# Altium PCB DAB_PCB.PcbDoc (part 2 of 3) (continued)
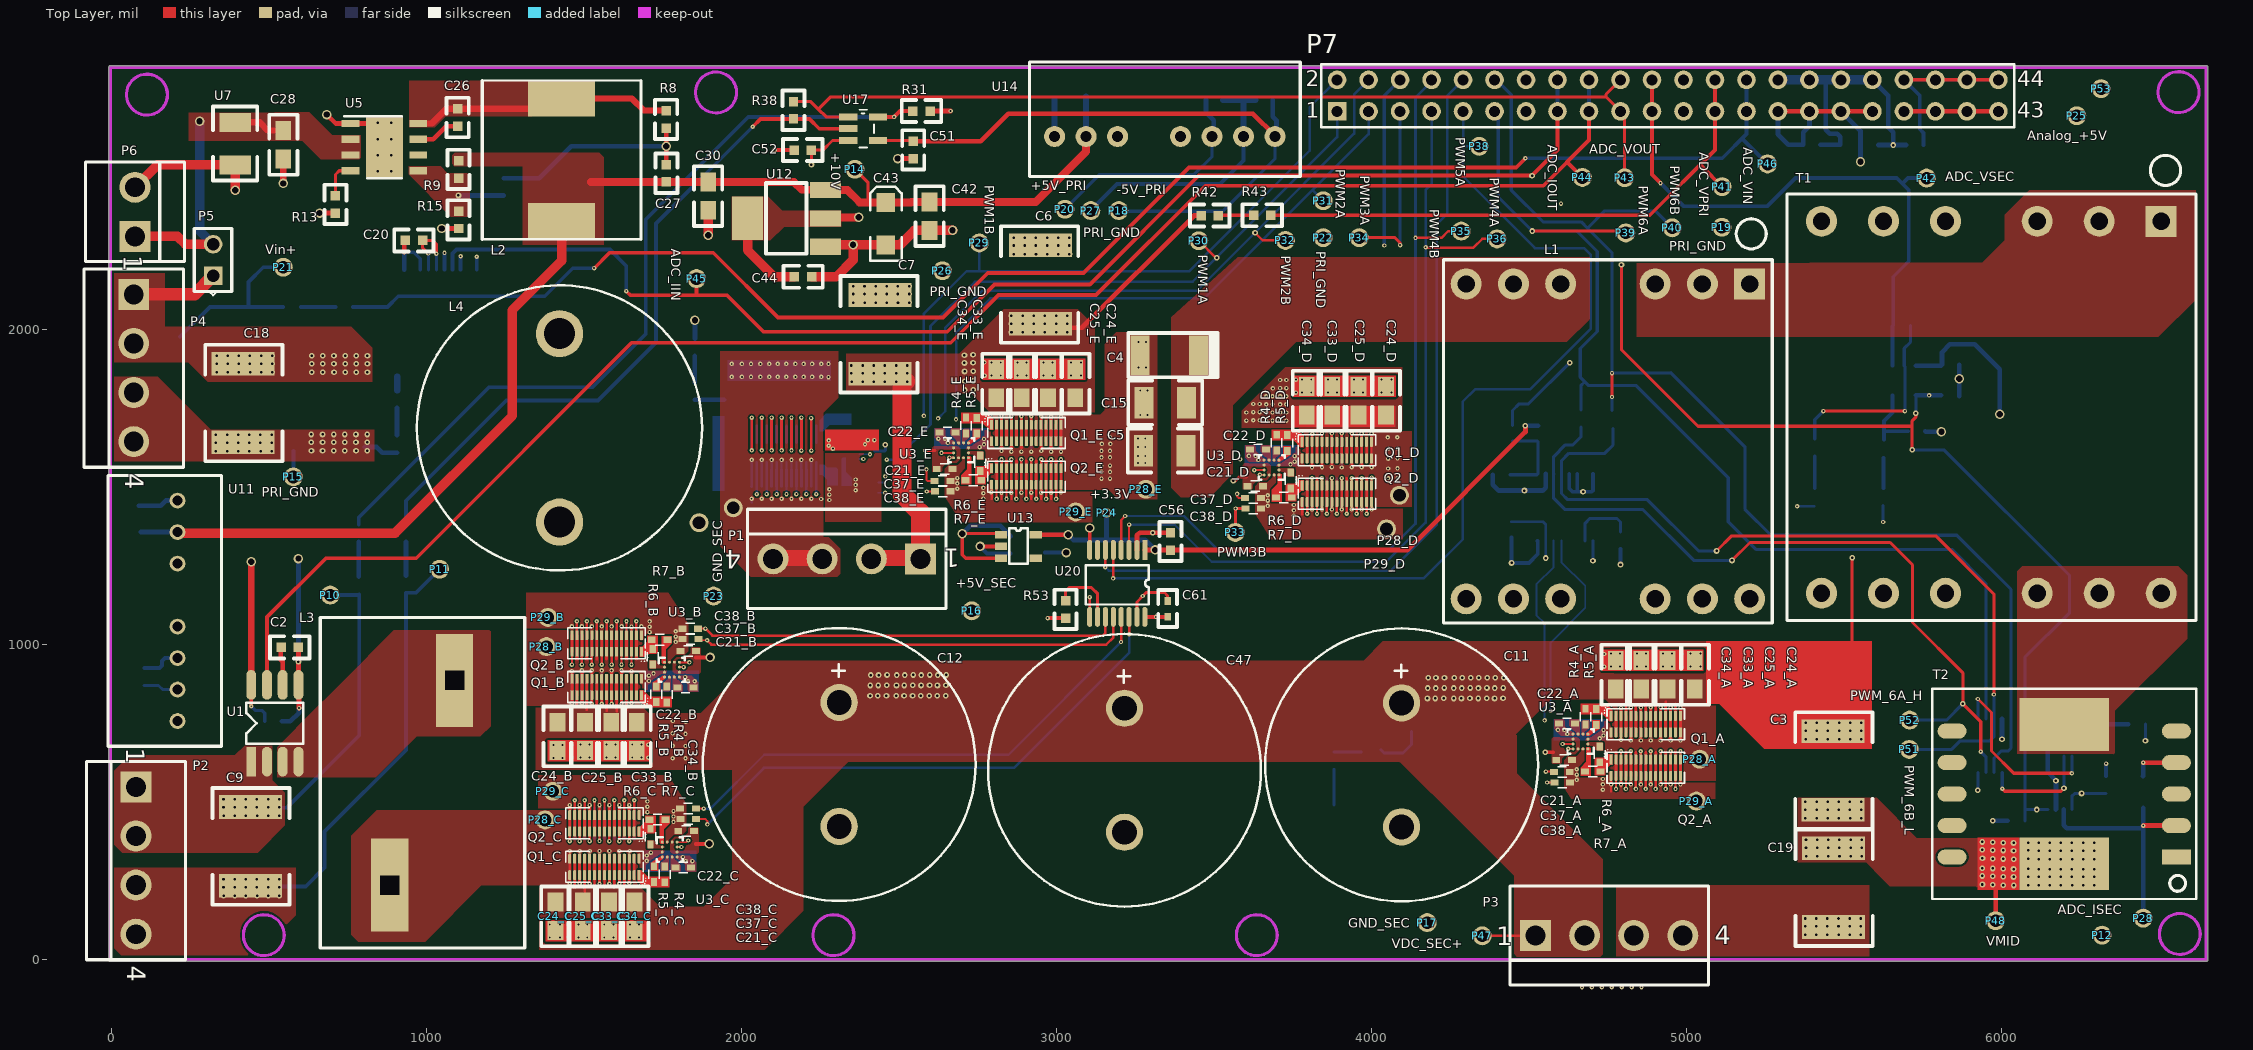
[diagram p0: Top Layer view]
## Nets (pads, with @x,y where several pads share a name; then routed paths per layer and width w, separated by ;. In a path a pad name is that pad's centre, name@x,y a point inside that pad or via, vN(x,y) a via of type N, cw(c..) or ccw(c..) an arc to the next point about the centre after c; other vN are vias at no path point) (continued)
  Top Layer w9: v1@2032.53,1621 v1(2032.53,1721.5) ; v1@2064.02,1621 v1(2064.02,1721.5) ; v1@2095.52,1621 v1(2095.52,1721.5) ; v1@2127.02,1622 v1(2127.02,1721.5) ; v1@2158.51,1621 v1(2158.51,1721.51) ; v1@2190,1620.3 v1(2190.01,1721.5) ; v1(2221,1720) 2221.5,1719.5 v1@2221.5,1620.3
  POWER1 w9: v1@2032.53,1621 v1(2032.53,1721.5) ; v1@2048,1482 2048,1579.22 ; v1@2064.02,1621 v1(2064.02,1721.5) ; v1@2079.77,1481.23 2079.77,1579.5 ; v1@2095.52,1621 v1(2095.52,1721.5) ; v1@2111.27,1481.73 2111.27,1579.5 ; v1@2127.02,1621 v1(2127.02,1721.5) ; v1@2142.76,1481.24 2142.76,1579.5 ; v1@2158.51,1621 v1(2158.51,1721.51) ; v1@2174.26,1481.74 2174.26,1579.5 ; v1@2190.01,1621 v1(2190.01,1721.5) ; v1@2205.76,1482 2205.76,1579.5 ; v1(2221,1720) 2221.5,1719.5 v1@2221.5,1620.3 ; v1@2237.25,1482 2237.25,1579.5
  Bottom Layer w7.5: v1@2032.53,1621 Q1_F.30@2032.53,1642 ; Q1_F.29@2032.53,1694.36 v1@2032.53,1719.47 ; v1(2048.28,1478.42) Q2_F.28@2048.28,1503.64 ; Q2_F.27@2048.28,1556 2048.28,1579.5 ; v1@2064.02,1621 Q1_F.26@2064.02,1642 ; Q1_F.25@2064.02,1694.36 v1(2064.02,1721.5) ; v1(2079.77,1478.42) Q2_F.24@2079.77,1503.64 ; Q2_F.23@2079.77,1556 2079.77,1579.5 ; v1@2095.52,1621 Q1_F.22@2095.52,1642 ; Q1_F.21@2095.52,1694.36 v1@2095.52,1718.52 ; v1(2111.27,1478.42) Q2_F.20@2111.27,1503.64 ; Q2_F.19@2111.27,1556 2111.27,1579.5 ; Q1_F.17@2127.02,1694.36 v1(2127.02,1721.5) ; v1(2142.76,1478.42) Q2_F.16@2142.76,1503.64 ; Q2_F.15@2142.76,1556 2142.76,1579.5 ; v1@2158.51,1621 Q1_F.14@2158.51,1642 ; Q1_F.13@2158.51,1694.36 v1(2158.51,1721.51) ; v1@2174.26,1481.26 Q2_F.12@2174.26,1503.64 ; Q2_F.11@2174.26,1556 2174.26,1579.5 ; v1(2190,1616.8) Q1_F.10@2190.01,1642 ; Q1_F.9@2190.01,1694.36 v1(2190.01,1721.5) ; v1(2205.76,1478.42) Q2_F.8@2205.76,1503.64 ; Q2_F.7@2205.76,1556 2205.76,1579.5 ; Q1_F.5@2221.5,1694.36 v1@2221.5,1719.5 ; v1(2237.25,1478.6) Q2_F.4@2237.25,1503.64 ; Q2_F.3@2237.25,1556 2237.25,1579.5
  Bottom Layer w9: Q1_F.30@2032.53,1642 Q1_F.29@2032.53,1694.36 ; Q2_F.28@2048.28,1503.64 Q2_F.27@2048.28,1556 ; Q1_F.26@2064.02,1642 Q1_F.25@2064.02,1694.36 ; Q2_F.24@2079.77,1503.64 Q2_F.23@2079.77,1556 ; Q1_F.22@2095.52,1642 Q1_F.21@2095.52,1694.36 ; Q2_F.20@2111.27,1503.64 Q2_F.19@2111.27,1556 ; Q1_F.18@2127.02,1642 Q1_F.17@2127.02,1694.36 ; Q2_F.16@2142.76,1503.64 Q2_F.15@2142.76,1556 ; Q1_F.14@2158.51,1642 Q1_F.13@2158.51,1694.36 ; Q2_F.12@2174.26,1503.64 Q2_F.11@2174.26,1556 ; Q1_F.10@2190.01,1642 Q1_F.9@2190.01,1694.36 ; Q2_F.8@2205.76,1503.64 Q2_F.7@2205.76,1556 ; Q1_F.6@2221.5,1642 Q1_F.5@2221.5,1694.36 ; Q2_F.4@2237.25,1503.64 Q2_F.3@2237.25,1556
  other v1: 2174.26,1478.42 2221.5,1616.8 2032.53,1617.5 2064.02,1617.5 2095.52,1617.5 2127,1617.5 2158.51,1617.5 2290,1623 2277,1632 2392,1637 2277,1649 2401,1650 2422,1650
NetC22_F_2: C22_F.2 U3_F.D3
NetC26_1: C26.1 U5.7 | length 142.3
  Top Layer w15: U5.7@973.42,2605.41 1021.41,2605.41 1063,2647 C26.1@1098.48,2647
NetC26_2: C26.2 L2.1 R8.1 U5.8 | length 794.7
  Top Layer w20: U5.8@973.42,2655.41 1016.41,2655.41 1063,2702 C26.2@1098.48,2702 L2.1@1395.6,2702 ; L2.1@1428.48,2734.88 1651.12,2734.88 1689,2697 R8.1@1766,2697
NetC27_1: C27.1 C29.1 R8.2 | length 676.4
  Top Layer w15: C27.1@1760.48,2523.52 v5(1760.48,2583) ; R8.2@1760.48,2641 v5(1760.48,2583) ; v5@1761,2583 v5(1760.48,2583)
  Bottom Layer w15: C29.1@1244.48,2482 1358,2482 1459,2583 v5(1760.48,2583) v5@1761,2583
NetC28_2: C28.2 P5.2 P6.1 U5.2 U5.3 U7.2 | length 830.9
  Top Layer w20: U7.2@392,2659 470,2659 496,2633 C28.2@545,2633
  Top Layer w30: P6.1@74,2297 209,2297 234,2272 P5.2@322,2272
  Bottom Layer w30: v5(279,2663) 279,2315 P5.2@322,2272
NetC29_2: C29.2 R9.1 R15.2 U5.5 | length 143.5
  Bottom Layer w15: v4(1101,2427) C29.2@1244.48,2427
NetC53_2: C53.2 R44.1 R45.1 U18.1 | length 266.4
  Bottom Layer w10: C53.2@4440,1540 U18.1@4525.2,1540 ; R44.1@4448,1647 R45.1@4527,1647 ; U18.1@4528.5,1543.3 R45.1@4528.5,1645.5
NetL1_1: L1.1 T1.1
NetL3_2: L3.2 U1.3 U1.4
NetL4_1: L4.1 U2.9
NetQ1_A_1: Q1_A.1 R4_A.2 R5_A.2 | length 14.6
  Top Layer w9: Q1_A.1@4761,774.36 Q1_A.1@4761,789
NetQ1_B_1: Q1_B.1 R4_B.2 R5_B.2 | length 14.6
  Top Layer w9: Q1_B.1@1681.92,825.25 Q1_B.1@1681.92,839.89
NetQ1_C_1: Q1_C.1 R4_C.2 R5_C.2 | length 14.6
  Top Layer w9: Q1_C.1@1674.92,254 Q1_C.1@1674.92,268.64
NetQ1_D_1: Q1_D.1 R4_D.2 R5_D.2 | length 14.6
  Top Layer w7.5: Q1_D.1@3780,1644.36 Q1_D.1@3780,1659
NetQ1_E_1: Q1_E.1 R4_E.2 R5_E.2 | length 14.6
  Top Layer w9: Q1_E.1@2794,1698.86 Q1_E.1@2794,1713.5
NetQ1_F_1: Q1_F.1 R4_F.2 R5_F.2 | length 14.6
  Bottom Layer w7.5: Q1_F.1@2253,1694.36 Q1_F.1@2253,1709
NetQ2_A_1: Q2_A.1 R6_A.2 R7_A.2
NetQ2_B_1: Q2_B.1 R6_B.2 R7_B.2
NetQ2_C_1: Q2_C.1 R6_C.2 R7_C.2
NetQ2_D_1: Q2_D.1 R6_D.2 R7_D.2
NetQ2_E_1: Q2_E.1 R6_E.2 R7_E.2
NetQ2_F_1: Q2_F.1 R6_F.2 R7_F.2
NetR1_1: R1.1 R55.2 | length 87
  Bottom Layer w15: R55.2@906.25,1665.75 R1.1@906.25,1752.75
NetR3_1: R3.1 R56.2 | length 84
  Bottom Layer w15: R3.1@1851,1833 R56.2@1851,1917
NetR4_A_1: R4_A.1 U3_A.D2
NetR4_B_1: R4_B.1 U3_B.D2
NetR4_C_1: R4_C.1 U3_C.D2
NetR4_D_1: R4_D.1 U3_D.D2
NetR4_E_1: R4_E.1 U3_E.D2
NetR4_F_1: R4_F.1 U3_F.D2
NetR5_A_1: R5_A.1 U3_A.D1
NetR5_B_1: R5_B.1 U3_B.D1
NetR5_C_1: R5_C.1 U3_C.D1
NetR5_D_1: R5_D.1 U3_D.D1
NetR5_E_1: R5_E.1 U3_E.D1
NetR5_F_1: R5_F.1 U3_F.D1
NetR6_A_1: R6_A.1 U3_A.B1
NetR6_B_1: R6_B.1 U3_B.B1
NetR6_C_1: R6_C.1 U3_C.B1
NetR6_D_1: R6_D.1 U3_D.B1
NetR6_E_1: R6_E.1 U3_E.B1
NetR6_F_1: R6_F.1 U3_F.B1
NetR7_A_1: R7_A.1 U3_A.A1
NetR7_B_1: R7_B.1 U3_B.A1
NetR7_C_1: R7_C.1 U3_C.A1
NetR7_D_1: R7_D.1 U3_D.A1
NetR7_E_1: R7_E.1 U3_E.A1
NetR7_F_1: R7_F.1 U3_F.A1
NetR13_2: R13.2 U5.4 | length 120.8
  Top Layer w10: R13.2@710.48,2426 710.48,2493.48 722.41,2505.41 U5.4@758.85,2505.41
NetR31_1: R31.1 R37.2 U17.5 | length 2581.2
  Top Layer w12: U17.5@2433,2676.4 v1(2484.4,2676.4) 2503,2695 R31.1@2544,2695
  Bottom Layer w12: R37.2@784.5,1381.99 784.5,1404.5 1198,1818 1527,1818 1696,1987 1696,2351 2021.4,2676.4 v1(2484.4,2676.4)
NetR32_2: R32.2 R33.1 | length 111
  Bottom Layer w12: R32.2@600,2073 R33.1@711,2073
NetR36_2: R36.2 R37.1 | length 109.7
  Bottom Layer w15: R36.2@784.5,1217.25 R37.1@784.5,1326.99
NetR38_1: R38.1 R40.1 U17.2 | length 2216.8
  Top Layer w12: v1(2035.45,2645) 2060.45,2670 R38.1@2165,2670 2216,2670 2247,2639 U17.2@2339,2639
  Bottom Layer w12: R40.1@934.26,1381.5 934.26,1457.26 1253,1776 1544,1776 1728,1960 1728,2337.55 v1(2035.45,2645)
NetR40_2: R40.2 R41.1 | length 106
  Bottom Layer w15: R41.1@934.26,1220.5 R40.2@934.26,1326.5
NetR42_2: R42.2 R43.1 | length 111
  Top Layer w12: R42.2@3515,2364 R43.1@3626,2364
NetR46_1: R46.1 U18.10 | length 209.9
  Bottom Layer w10: U18.10@4678.5,1330.7 4678.5,1386.5 4693,1401 4780,1401 4791,1390 R46.1@4791,1359
NetR47_1: R47.1 R49.2 U19.5 | length 227.8
  Bottom Layer w12: R49.2@5628,1651 5628,1711.25 5654.6,1737.85 U19.5@5654.6,1792.25 ; 5628.5,1678.25 R47.1@5704,1678.25
NetR48_2: R48.2 R49.1 | length 96
  Bottom Layer w12: R48.2@5626,1498 R49.1@5626,1594
NetR50_1: R50.1 R51.1 U19.2 | length 635.7
  Top Layer w10: v1(5435,1742) v1(5694,1742)
  Bottom Layer w10: R51.1@5408,1654 5408,1715 v1(5435,1742) ; U19.2@5692,1886.25 5692,1941.25 5712,1961.25 R50.1@5712,2013.25 ; v1(5694,1742) U19.2@5694,1884.25
NetR51_2: R51.2 R52.1 | length 102
  Bottom Layer w12: R52.1@5408,1497 R51.2@5408,1599
NetR53_1: R53.1 U20.10 | length 218.9
  Top Layer w10: R53.1@3029,1140 3029,1171 3040,1182 3111,1182 3130.5,1162.5 U20.10@3130.5,1088.7
NetR54_1: R54.1 R57.2 | length 88
  Bottom Layer w10: R57.2@3881,660 R54.1@3969,660
NetT1_4: T1.4 T2.12
POWER_GROUND_PRI: C1.1 C2.2 C6.1 C7.1 C16.1 C17.1 C18.1 C20.1 C21_D.1 C21_E.1 C21_F.1 C23.2 C24_D.1 C24_E.1 C24_F.1 C25_D.1 C25_E.1 C25_F.1 C28.1 C30.1 C31.1 C32.2 C33_D.1 C33_E.1 C33_F.1 C34_D.1 C34_E.1 C34_F.1 C35.1 C37_D.1 C37_E.1 C37_F.1 C38_D.1 C38_E.1 C38_F.1 C39.1 C40.1 C41.2 C42.1 C43.2 C44.1 C45.1 C46.2 C51.1 C52.1 C53.1 C54.1 C55.1 C56.1 C57.1 C58.1 C59.1 P1.3 P1.4 P4.3 P4.4 P6.2 P7.29 P7.31 P7.33 P7.35 P7.38 P7.40 P7.42 P7.44 P12.1 P15.1 P19.1 P22.1 P26.1 P27.1 P29_D.1 P29_E.1 P29_F.1 P53.1 Q2_D.2 Q2_D.5 Q2_D.6 Q2_D.9 Q2_D.10 Q2_D.13 Q2_D.14 Q2_D.17 Q2_D.18 Q2_D.21 Q2_D.22 Q2_D.25 Q2_D.26 Q2_D.29 Q2_D.30 Q2_E.2 Q2_E.5 Q2_E.6 Q2_E.9 Q2_E.10 Q2_E.13 Q2_E.14 Q2_E.17 Q2_E.18 Q2_E.21 Q2_E.22 Q2_E.25 Q2_E.26 Q2_E.29 Q2_E.30 Q2_F.2 Q2_F.5 Q2_F.6 Q2_F.9 Q2_F.10 Q2_F.13 Q2_F.14 Q2_F.17 Q2_F.18 Q2_F.21 Q2_F.22 Q2_F.25 Q2_F.26 Q2_F.29 Q2_F.30 R2.1 R13.1 R15.1 R31.2 R47.2 R55.1 R56.1 T2.4 U1.5 U2.1 U2.2 U2.5 U2.7 U2.8 U3_D.A2 U3_E.A2 U3_F.A2 U5.1 U5.9 U6.3 U6.5 U7.1 U9.4 U11.1 U12.1 U13.2 U14.1 U14.7 U18.2 U18.5 U18.6 U18.8 U20.2 U20.8 | length 10766.5
  Top Layer w7.5: 2794,1463.5 Q2_E.2@2794,1508.14 ; 2825.5,1463.5 Q2_E.6@2825.5,1508.14 ; 2856.99,1463.51 Q2_E.10@2856.99,1508.14 ; v1(2888.49,1483.2) Q2_E.14@2888.49,1508.14 ; 2919.98,1463.5 Q2_E.18@2919.98,1508.14 ; 2951.48,1463.5 Q2_E.22@2951.48,1508.14 ; 2982.98,1463.5 Q2_E.26@2982.98,1508.14 ; Q2_E.25@2982.98,1560.5 v1(2982.98,1588.8) ; v1(3014.47,1484.1) Q2_E.30@3014.47,1508.14 ; 3780,1414 Q2_D.2@3780,1453.64 ; v1(3811.5,1429.7) Q2_D.6@3811.5,1453.64 Q2_D.5@3811.5,1506 ; v1(3811.5,1529.2) Q2_D.5@3811.5,1506 ; Q2_D.5@3811.68,1506.18 Q2_D.5@3811.5,1506 ; v1(3842.99,1429.9) Q2_D.10@3842.99,1453.64 Q2_D.9@3842.99,1506 v1(3842.98,1529.2) ; v1(3874.49,1429.9) Q2_D.14@3874.49,1453.64 Q2_D.13@3874.49,1506 v1(3874.5,1529.2) ; v1(3905.98,1429.9) Q2_D.18@3905.98,1453.64 Q2_D.17@3905.98,1506 v1(3905.98,1529.2) ; v1(3937.48,1429.9) Q2_D.22@3937.48,1453.64 Q2_D.21@3937.48,1506 v1(3937.5,1529.2) ; v1(3968.98,1429.9) Q2_D.26@3968.98,1453.64 Q2_D.25@3968.98,1506 v1(3968.97,1529.2) ; v1@4000.47,1429.9 Q2_D.30@4000.47,1453.64 Q2_D.29@4000.47,1506 v1(4000.47,1531.2)
  Top Layer w8: Q2_E.6@2825.5,1508.14 Q2_E.5@2825.5,1560.5 ; v1(2825.5,1588.8) Q2_E.5@2825.5,1560.5 ; Q2_E.5@2825.68,1560.68 Q2_E.5@2825.5,1560.5 ; Q2_E.10@2856.99,1508.14 Q2_E.9@2856.99,1560.5 v1(2856.99,1588.8) ; Q2_E.14@2888.49,1508.14 Q2_E.13@2888.49,1560.5 v1(2888.5,1588.8) ; Q2_E.18@2919.98,1508.14 Q2_E.17@2919.98,1560.5 v1(2919.98,1588.8) ; Q2_E.22@2951.48,1508.14 Q2_E.21@2951.48,1560.5 v1(2951.5,1588.8) ; Q2_E.26@2982.98,1508.14 Q2_E.25@2982.98,1560.5 ; Q2_E.30@3014.47,1508.14 Q2_E.29@3014.47,1560.5 v1(3014.5,1588.7)
  Top Layer w12: v4(2104,2571) C52.1@2167,2571 ; v5(2757.4,1312.4) U13.2@2823.76,1312.4 ; U20.8@3105.5,1301.3 3106,1301.8 v5(3106,1371) ; P7.38@5691,2794 P7.40@5791,2794 P7.42@5891,2794 P7.44@5991,2794
  Top Layer w15: U1.5@592,872.05 595,869.05 v1(595,799) ; U1.5@593,873.05 v4(593,947) C2.2@593,992 ; v5(660,2371) R13.1@710.48,2371 ; v5(683,2683.82) 711.41,2655.41 U5.1@758.85,2655.41 U5.9@818.59,2655.41 ; v1(928.84,2246.84) C20.1@928.84,2280.84 ; v5(1048,2322) R15.1@1101.48,2322 ; v5(2496,2544) C51.1@2545,2544 ; R31.2@2599,2695 v1(2664,2695) ; U20.2@3255.5,1301.3 3255.5,1347.5 3264,1356 v4(3306,1356) C56.1@3362,1356 ; P7.29@5291,2694 P7.31@5391,2694 P7.33@5491,2694 P7.35@5591,2694 ; v1(6451,626) T2.4@6556,626
  Top Layer w20: v5(545,2465) C28.1@545,2543
  Top Layer w30: P6.2@74,2452.91 145.09,2524 U7.1@392,2524 v5(392,2443) ; v5(1894,2301) C30.1@1894,2380 ; C44.1@2223,2169 2301,2169 2354,2222 v5(2354,2270) ; U12.1@2273.03,2270 v5(2354,2270) ; v5(2670,2316) C42.1@2597,2316 2549,2316 2503,2270 C43.2@2458,2270 v5(2354,2270)
  Top Layer w50: P1.4@2100.19,1276 P1.3@2255,1276
  GND1 w7.5: 2032,1453 v1(2032,1464) ; v1@2064,1459.02 v1(2064,1464) ; v1@2095.52,1459 v1(2095.52,1464) ; v1@2158.51,1459 v1(2158.51,1464) ; v1@2190,1459 v1(2190,1464) ; v1@2221.5,1459 v1(2221.5,1464)
  GND1 w11.81: P12.1@6320,78 6320,123 6367,170 6367,238
  Bottom Layer w7.5: v1@2031.52,1466.48 2032,1466 v1(2032,1464) 2032,1453 ; Q2_F.29@2032.53,1556 v1(2032.53,1587.3) ; Q2_F.25@2064.02,1556 v1(2064,1587.3) v1@2064,1582.85 ; v1@2095.52,1459 v1(2095.52,1464) ; Q2_F.21@2095.52,1556 v1(2095.52,1587.3) ; v1@2127.02,1459 v1(2127.02,1464) ; Q2_F.17@2127.02,1557 v1(2127.02,1587.3) ; v1@2158.51,1459 v1(2158.51,1464) ; Q2_F.13@2158.51,1556 v1(2158.51,1587.3) ; Q2_F.9@2190.01,1556 v1(2190.01,1587.3) ; v1@2221.5,1459 v1(2221.5,1464) ; Q2_F.5@2221.5,1556 v1(2221.5,1587.3) ; v1@2825.5,1483.2 v1(2825.5,1588.8) ; v1(2857,1483.2) v1(2856.99,1588.8) ; v1(2888.49,1483.2) v1(2888.5,1588.8) ; v1@2920,1483.2 v1(2920,1483.5) v1(2919.98,1588.8) ; v1@2951.48,1483.2 v1(2951.5,1588.8) ; v1@2983,1483.2 v1(2983,1483.5) v1(2982.98,1588.8) ; v1@3014.47,1483.2 v1(3014.47,1484.1) v1(3014.5,1588.7)
  Bottom Layer w9: Q2_F.30@2032.05,1503.16 Q2_F.30@2032.53,1503.64 Q2_F.29@2032.53,1556 ; Q2_F.26@2064.02,1503.64 Q2_F.25@2064.02,1556 ; Q2_F.22@2095.52,1503.64 Q2_F.21@2095.52,1556 ; Q2_F.18@2127.02,1503.64 Q2_F.17@2127.02,1556 ; Q2_F.14@2158.51,1503.64 Q2_F.13@2158.51,1556 ; Q2_F.10@2190.01,1503.64 Q2_F.9@2190.01,1556 ; Q2_F.6@2221.5,1503.64 Q2_F.5@2221.5,1556
  Bottom Layer w12: P15.1@577,1533 577,1616 ; v1(928.84,2246.84) 959.16,2246.84 980.02,2225.98 U2.2@980.02,2191 ; U2.5@1056.8,2191 v1(1056.8,2244.8) ; U2.7@1107.98,2191 v1(1107.98,2233.98) ; U2.8@1159.16,2191 v1(1159.16,2232.16) ; v5(2757.4,1312.4) 2779.8,1290 C45.1@2855,1290 ; C40.1@2963,1293 v5(3031,1293) ; P27.1@3108.5,2379.5 3192,2463 3519,2463 3594,2538 U14.7@3594,2614 ; U18.5@4628.5,1543.3 4628.5,1496.5 4639,1486 v4(4672,1486) 4699,1486 4703.5,1490.5 U18.8@4703.5,1543.3 ; 4653.5,1486.5 U18.6@4653.5,1543.3 ; C57.1@5753,2587 5753,2625 5741,2637 5741,2744 P7.38@5691,2794 P7.40@5791,2794 P7.42@5891,2794 P7.44@5991,2794 ; C32.2@6333,583 v1(6333,623)
  Bottom Layer w15: C35.1@86,1442 156,1442 172,1458 U11.1@209,1458 ; C1.1@541,757 567,757 595,785 v1(595,799) ; v4(593,947) v5(593,1274) ; C16.1@804,1628 841,1628 859.25,1609.75 R55.1@906.25,1609.75 ; U2.1@928.84,2191 v1(928.84,2246.84) ; R56.1@1852,1973 v5(1852,2031) ; C53.1@4385,1540 4385,1509 4404,1490 v4(4486,1490) 4544,1490 4553.5,1499.5 U18.2@4553.5,1543.3 ; P7.29@5291,2694 5291,2621 5324,2588 C59.1@5371,2588 5371,2627 5391,2647 P7.31@5391,2694 ; P7.33@5491,2694 5553,2632 C58.1@5553,2586 v5(5553,2534) ; R47.2@5759,1678.25 5760.25,1677 v5(5810,1677) ; C54.1@5867,1789.25 v5(5867,1845) C55.1@5867,1889.25 ; v4(5973,441) C31.1@6020,441 ; v4(6002.39,700.39) U9.4@6002.39,765 ; U6.3@6173,477.2 6173.7,477.91 v4(6173.7,567.9) 6173.7,570.29 6147.61,596.38 U6.5@6147.61,647 6147.61,703.61 6192,748 C23.2@6403,748 ; R2.1@6450,583 6451,584 v1(6451,626)
  Bottom Layer w20: U14.1@2994,2614 C41.2@2994,2733 ; C46.2@3530,2730 C39.1@3632,2730 ; U14.7@3594,2614 3594,2725
  other v1: 3754,1410 3754,1427 4000.6,1429.9 3671,1441 3754,1444 3671,1458 2279,1460 2252.47,1463 2768,1464.5 3671,1475 2279,1477 2768,1481.5 2825.4,1483.2 2951.4,1483.5 2793.3,1485 2362,1491 2279,1494 2685,1495.5 2768,1498.5 2362,1508 2685,1512.5 2362,1525 2685,1529.5 3760,1801 3836,1801 3918,1801 4003,1801 3760,1842 3836,1842 3918,1842 4003,1842
  other v2: 331,1615 366.4,1615 401.8,1615 437.2,1615 472.6,1615 508,1615 634.2,1616 669.6,1616 705,1616 740.4,1616 775.8,1616 811.2,1616 330.8,1642 366.2,1642 401.6,1642 437,1642 472.4,1642 507.8,1642 634,1643 669.4,1643 704.8,1643 740.2,1643 775.6,1643 811,1643 330.8,1667 366.2,1667 401.6,1667 437,1667 472.4,1667 507.8,1667 634,1668 669.4,1668 704.8,1668 740.2,1668 775.6,1668 811,1668 2355.2,2087 2390.6,2087 2426,2087 2461.4,2087 2496.8,2087 2532.2,2087 2355,2114 2390.4,2114 2425.8,2114 2461.2,2114 2496.6,2114 2532,2114 2355,2139 2390.4,2139 2425.8,2139 2461.2,2139 2496.6,2139 2532,2139 2864.2,2241 2899.6,2241 2935,2241 2970.4,2241 3005.8,2241 3041.2,2241 2864,2268 2899.4,2268 2934.8,2268 2970.2,2268 3005.6,2268 3041,2268 2864,2293 2899.4,2293 2934.8,2293 2970.2,2293 3005.6,2293 3041,2293
  other v3: 3780,1801 3809,1801 3862,1801 3891,1801 3945,1801 3973,1801 4032,1801 4064,1801 3780,1842 3809,1842 3862,1842 3891,1842 3945,1842 3973,1842 4032,1842 4064,1842 2276,1850 1969,1851 2001,1851 2030,1851 2060,1851 2088,1851 2115,1851 2142,1851 2171,1851 2197,1851 2224,1851 2253,1851 2772,1855 2794,1855.5 2823,1855.5 2850,1855.5 2876,1855.5 2905,1855.5 2932,1855.5 2959,1855.5 2987,1855.5 3017,1855.5 3046,1855.5 3078,1855.5 1969,1892 2001,1892 2030,1892 2060,1892 2088,1892 2115,1892 2142,1892 2171,1892 2197,1892 2224,1892 2253,1892 2276,1892 2794,1896.5 2823,1896.5 2850,1896.5 2876,1896.5 2905,1896.5 2932,1896.5 2959,1896.5 2987,1896.5 3017,1896.5 3046,1896.5 3078,1896.5 2771,1897
POWER_GROUND_SEC: C11.2 C12.2 C13.1 C14.1 C19.1 C21_A.1 C21_B.1 C21_C.1 C24_A.1 C24_B.1 C24_C.1 C25_A.1 C25_B.1 C25_C.1 C33_A.1 C33_B.1 C33_C.1 C34_A.1 C34_B.1 C34_C.1 C36.1 C37_A.1 C37_B.1 C37_C.1 C38_A.1 C38_B.1 C38_C.1 C47.2 C60.1 C61.1 P3.3 P3.4 P17.1 P23.1 P29_A.1 P29_B.1 P29_C.1 Q2_A.2 Q2_A.5 Q2_A.6 Q2_A.9 Q2_A.10 Q2_A.13 Q2_A.14 Q2_A.17 Q2_A.18 Q2_A.21 Q2_A.22 Q2_A.25 Q2_A.26 Q2_A.29 Q2_A.30 Q2_B.2 Q2_B.5 Q2_B.6 Q2_B.9 Q2_B.10 Q2_B.13 Q2_B.14 Q2_B.17 Q2_B.18 Q2_B.21 Q2_B.22 Q2_B.25 Q2_B.26 Q2_B.29 Q2_B.30 Q2_C.2 Q2_C.5 Q2_C.6 Q2_C.9 Q2_C.10 Q2_C.13 Q2_C.14 Q2_C.17 Q2_C.18 Q2_C.21 Q2_C.22 Q2_C.25 Q2_C.26 Q2_C.29 Q2_C.30 R52.2 R57.1 U3_A.A2 U3_B.A2 U3_C.A2 U11.7 U18.9 U18.15 U20.9 U20.15 | length 3483.3
  Top Layer w7.4: v1(1611.92,376.5) Q2_C.9@1611.93,407 ; v1(1643.24,376.5) Q2_C.5@1643.24,406.82 ; Q2_A.13@4855.31,636.18 v1(4855.31,662.1)
  Top Layer w7.5: v1(1454.45,376.5) Q2_C.29@1454.45,407 ; v1@1461.45,938 Q2_B.29@1461.45,978.25 ; v1@1461.45,1057.23 v1(1461.45,1058.4) ; v1(1485.92,376.5) Q2_C.25@1485.95,407 ; Q2_C.26@1485.95,459.36 v1(1485.92,491.25) ; v1@1492.95,937 Q2_B.25@1492.95,978.25 ; v1(1517.44,376.5) Q2_C.21@1517.44,407 ; Q2_C.22@1517.44,459.36 v1(1517.44,491.25) ; v1@1524.44,938 Q2_B.21@1524.44,978.25 ; v1@1548.94,377.26 Q2_C.17@1548.94,407 ; Q2_C.18@1548.94,459.36 v1(1548.94,491.25) ; v1@1555.94,937 Q2_B.17@1555.94,978.25 ; v1(1580.43,376.5) Q2_C.13@1580.43,407 ; Q2_C.14@1580.43,459.36 v1(1580.43,491.25) ; v1@1587.43,938 Q2_B.13@1587.43,978.25 ; Q2_C.10@1611.93,459.36 v1(1611.92,491.25) ; Q2_B.9@1618.93,978.25 v1@1619,938 ; Q2_C.6@1643.43,459.36 v1(1643.43,491.25) ; v1(1650.43,937.25) Q2_B.5@1650.43,978.25 ; Q2_B.6@1650.43,1030.61 v1(1650.43,1057.73) ; 4761,535 v1(4761,556.7) Q2_A.2@4761,583.64 ; v1@4792.5,551.2 v1(4792.5,556.7) Q2_A.6@4792.5,583.64 ; v1(4792.5,662.1) Q2_A.5@4792.5,636 Q2_A.5@4792.68,636.18 ; Q2_A.9@4823.99,636 v1(4824,662.1) ; Q2_A.13@4855.31,636.18 Q2_A.13@4855.49,636 ; v1(4855.49,556.7) Q2_A.14@4855.49,583.64 ; v1(4886.98,556.7) Q2_A.18@4886.98,583.64 ; Q2_A.17@4886.98,636 v1(4887,662.1) ; v1(4918.48,556.7) Q2_A.22@4918.48,583.64 ; Q2_A.21@4918.48,636 v1(4918.48,662.1) ; Q2_A.25@4949.98,636 v1(4950,662.1) ; v1(4981.47,556.7) Q2_A.30@4981.47,583.64 ; Q2_A.29@4981.47,636 v1(4981.47,662.1)
  Top Layer w9: Q2_C.29@1454.45,407 Q2_C.30@1454.45,459.36 v1(1454.45,491.25) ; v1@1460.88,1057.8 1461.45,1057.23 v1@1461.53,1057.15 ; Q2_B.29@1461.45,978.25 Q2_B.30@1461.45,1030.61 ; Q2_C.25@1485.95,407 Q2_C.26@1485.95,459.36 ; Q2_B.25@1492.95,978.25 Q2_B.26@1492.95,1030.61 ; Q2_C.21@1517.44,407 Q2_C.22@1517.44,459.36 ; Q2_B.21@1524.44,978.25 Q2_B.22@1524.44,1030.61 ; Q2_C.17@1548.94,407 Q2_C.18@1548.94,459.36 ; Q2_B.17@1555.94,978.25 Q2_B.18@1555.94,1030.61 ; Q2_C.13@1580.43,407 Q2_C.14@1580.43,459.36 ; Q2_B.13@1587.43,978.25 Q2_B.14@1587.43,1030.61 ; Q2_C.9@1611.93,407 Q2_C.10@1611.93,459.36 ; Q2_B.9@1618.93,978.25 Q2_B.10@1618.93,1030.61 ; Q2_C.5@1643.24,406.82 Q2_C.5@1643.43,407 Q2_C.6@1643.43,459.36 ; Q2_B.5@1650.24,978.06 Q2_B.5@1650.43,978.25 Q2_B.6@1650.43,1030.61 ; Q2_B.2@1681.92,1030.61 Q2_B.2@1682.58,1031.26 ; U20.9@3105.5,1088.7 v1(3105.5,1151.5) ; U20.15@3255.5,1088.7 3255.5,1136.5 v1(3274,1155) 3285,1166 3343,1166 3353,1156 C61.1@3353,1139 ; Q2_A.6@4792.5,583.64 Q2_A.5@4792.5,636 ; Q2_A.10@4823.99,583.64 Q2_A.9@4823.99,636 ; Q2_A.14@4855.49,583.64 Q2_A.13@4855.49,636 ; Q2_A.18@4886.98,583.64 Q2_A.17@4886.98,636 ; Q2_A.22@4918.48,583.64 Q2_A.21@4918.48,636 ; Q2_A.26@4949.98,583.64 Q2_A.25@4949.98,636 ; Q2_A.30@4981.47,583.64 Q2_A.29@4981.47,636
  GND1 w9: 4951,1310 5081,1440 v1(5352,1440)
  Bottom Layer w7.5: v1(4886.98,556.7) 4886.99,557.7 v1@4886.98,558.7
  Bottom Layer w9: C36.1@103,871 149,871 162,858 U11.7@209,858 ; 3881,491 R57.1@3881,605 ; C60.1@4445,1391 4545,1391 4553.5,1382.5 U18.15@4553.5,1330.7 v4(4553.5,1275.5) ; v4(4703.5,1266.5) U18.9@4703.5,1330.7 ; v1(5352,1440) R52.2@5406,1440
  other v1: 1549,377.26 1783.92,438 1783.92,455 1700.92,469 1783.92,472 1700.92,486 1700.92,503 4735,540 4735,557 4824,556.7 4950,556.7 4652,571 4735,574 4652,588 4652,605 4739,931 1461.45,937.25 1492.92,937.25 1524.44,937.25 1555.92,937.25 1587.43,937.25 1618.92,937.25 4739,971 1790.92,1009.25 1790.92,1026.25 1707.92,1040.25 1790.92,1043.25 1707.92,1057.25 1493.02,1058.4 1524.53,1058.4 1556.02,1058.4 1587.51,1058.4 1619.01,1058.4 1682,1058.4 1707.92,1074.25
  other v2: 5377.2,79 5412.6,79 5448,79 5483.4,79 5518.8,79 5554.2,79 5377,106 5412.4,106 5447.8,106 5483.2,106 5518.6,106 5554,106 5377,131 5412.4,131 5447.8,131 5483.2,131 5518.6,131 5554,131
  other v3: 1390.92,71 1422.92,71 1451.92,71 1481.92,71 1509.92,71 1536.92,71 1563.92,71 1592.92,71 1618.92,71 1645.92,71 1674.92,71 1390.92,112 1422.92,112 1451.92,112 1481.92,112 1509.92,112 1536.92,112 1563.92,112 1592.92,112 1618.92,112 1645.92,112 1674.92,112 1403,641 1431,641 1458.92,642.25 1488.92,642.25 1516.92,642.25 1543.92,642.25 1570.92,642.25 1599.92,642.25 1625.92,642.25 1652.92,642.25 1681.92,642.25 1704,642 1403,682 1431,682 1458.92,683.25 1488.92,683.25 1516.92,683.25 1543.92,683.25 1570.92,683.25 1599.92,683.25 1625.92,683.25 1652.92,683.25 1681.92,683.25 1704,683 4761,931 4790,931 4817,931 4843,931 4872,931 4899,931 4926,931 4954,931 4984,931 5013,931 5045,931 4761,972 4790,972 4817,972 4843,972 4872,972 4899,972 4926,972 4954,972 4984,972 5013,972 5045,972
PWM_1A: C37_F.2 P7.1 P30.1 U3_F.B4 | length 2384.1
  Top Layer w8: P30.1@3452,2283 v4@3505.56,2229.44
  POWER1 w7.5: v1(2408,1605) 2443,1570 ; v1(2456.5,1535) 2456.5,1556.5 2443,1570 ; v1@2460.5,1588 v1(2461,1588) 2443,1570
  Bottom Layer w6: U3_F.B4@2374,1605 v1(2408,1605) ; 2434,1516 2452.5,1516 2456.5,1520 v1(2456.5,1535)
  Bottom Layer w7.5: v1(2461,1588) 2488.24,1588 2600,1699.76
  Bottom Layer w8: 2600,1699.76 2600,2012 2741,2153 3432.12,2153 v4(3508.56,2229.44) 3891,2611.88 P7.1@3891,2694
PWM_1B: C38_F.2 P7.2 P29.1 U3_F.A4 | length 2601.5
  GND1 w6: v1(2387,1590) 2408,1569 2408,1527 2428,1507 2443,1507 2456,1494 v1(2456,1483) 2476.39,1483 2521,1527.61 2521,1640 2579,1698 v1(2579,1727)
  Bottom Layer w6: U3_F.A4@2373.62,1589.38 2374.24,1590 v1(2387,1590) ; C38_F.2@2433,1483 v1(2456,1483)
  Bottom Layer w8: v1(2579,1727) 2579,2052 2579.5,2051.5 2715,2187 3422,2187 3804,2569 3804,2707 P7.2@3891,2794 ; 2755,2188 P29.1@2755,2276
PWM_2A: C37_E.2 P7.3 P31.1 U3_E.B4 | length 2277.8
  Top Layer w6: v1(2587,1557) 2587,1523.5 2590,1520.5 C37_E.2@2613,1520.5 ; v1(2635,1609.5) U3_E.B4@2673.25,1609.5
  GND1 w6: v1(2635,1609.5) 2647.92,1622.42 2672.92,1622.42 2681,1630.5
  GND1 w7.5: 2681,1630.5 v1(2681,1716)
  POWER1 w7.5: v1(2587,1557) 2587,1563.5 2633,1609.5 v1(2635,1609.5)
  Bottom Layer w8: v1(2681,1716) 2681,1991 2790,2100 3469,2100 3991,2622 P7.3@3991,2694 ; 3814,2443 P31.1@3847,2410
PWM_2B: C38_E.2 P7.4 P32.1 U3_E.A4 | length 2583.4
  Top Layer w6: v1(2588,1487) 2613.5,1487 C38_E.2@2614,1487.5 ; v1(2660,1594.5) 2672.76,1594.5 U3_E.A4@2673.38,1593.88
  Top Layer w8: v4(3630.5,2308.5) 3655,2284 P32.1@3727,2284
  GND1 w6: v1(2588,1487) 2588,1495.5 2604,1511.5 2619,1511.5 2639,1531.5 2639,1573.5 v1(2660,1594.5) ; 2600,1509.56 2563,1546.56 2563,1658 v1(2624,1719)
  Bottom Layer w7.5: v1(2624,1719) 2647,1742
  Bottom Layer w8: 2647,1742 2647,2007 2765,2125 3447,2125 v4(3630.5,2308.5) 3945,2623 3945,2748 P7.4@3991,2794
PWM_3A: C37_D.2 P7.5 P34.1 U3_D.B4 | length 1685.5
  Top Layer w6: v1(3573.5,1479.5) 3573.5,1471.5 3579,1466 C37_D.2@3599,1466 ; v1(3628,1555) U3_D.B4@3659,1555
  Top Layer w10: P34.1@3961.4,2293 4075,2293 4091,2277 v1(4091,2269)
  GND1 w6: v1(3573.5,1479.5) 3573.5,1500.17 3584.5,1511.17 3614.17,1540.83 3614,1541 ; v1(3583,1589) 3583,1572 3614,1541 ; v1(3628,1555) 3614,1541
  POWER1 w10: v1(3583,1589) 3583,1761 v1(4091,2269)
  Bottom Layer w10: v1(4091,2269) P7.5@4091,2694
PWM_3B: C38_D.2 P7.6 P33.1 U3_D.A4 | length 1883.5
  Top Layer w6: v1(3646,1540) 3658.76,1540 U3_D.A4@3659.38,1539.38
  Top Layer w10: P33.1@3569,1358 v1(3569,1433) C38_D.2@3600,1433
  GND1 w6: v1(3569,1433) 3569,1446 3580,1457 3605,1457 3625,1477 3625,1519 v1(3646,1540)
  POWER1 w10: v1(3569,1433) 3529,1473 3529,1756 v1(4041,2268)
  Bottom Layer w10: v1(4041,2268) 4041,2744 P7.6@4091,2794